# KiCad board Kanagawa_rgb_ansi_pico.kicad_pcb (continued)
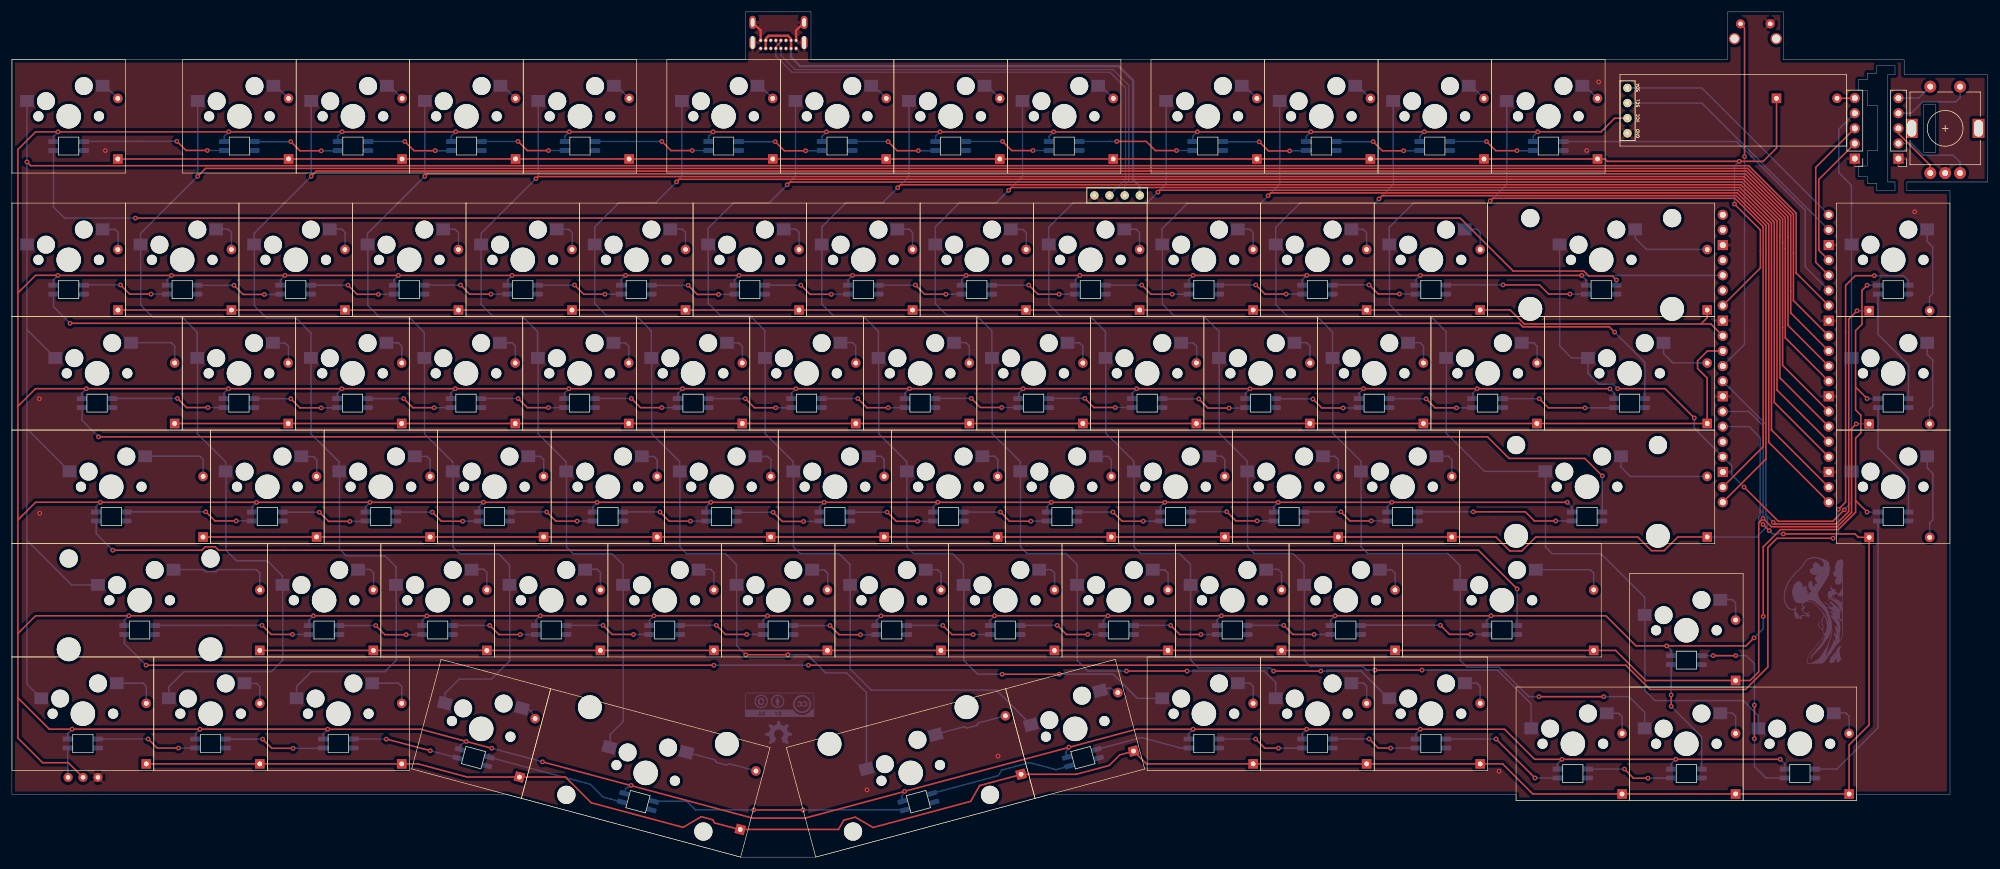
[diagram p0: board, top side]
## Routing (per net, layer and track width the routed paths; a pad name or vN(x,y) marks a point on that pad's centre or on a via; arc(x,y) is an arc through that point) (continued)
col12: length 263.2
  Top w0.254: U0.22 293.87,68.89 293.87,105.87 289.14,110.6 248.51,110.6 v1(248.07,110.16)
  Bottom w0.254: 274.04,40.63 274.04,27.94 275.71,26.27 290.55,26.27 293.05,23.77 293.05,21.61 ; 257.35,52.06 258.47,50.94 266.67,50.94 273.99,43.62 KE12.1 ; KC12.1 240.65,88.22 238.11,90.76 233.19,90.76 231.16,92.79 231.16,102.84 ; 250.85,126.93 250.85,112.94 v1(248.07,110.16) 247.72,109.81 235.21,109.81 231.13,105.73 231.13,102.81 ; 240.7,83.82 240.7,71.17 247.12,64.75 KD12.1 ; 257.35,52.06 257.35,64.71
col13: length 150.2
  Top w0.254: v1(282.32,73.73) 277.41,78.64 v1(269.45,78.64) ; v1(307.5,58.32) 305.56,56.37 296.43,56.37 v1(290.68,62.12)
  Bottom w0.254: U0.24 288.58,65.72 288.58,64.22 v1(290.68,62.12) ; 308.69,102.85 308.69,112.8 306.57,114.92 306.57,122.2 J3.4 ; 264.47,83.8 261.72,83.8 259.73,85.79 259.73,102.78 ; 287.1,67.2 282.32,71.98 v1(282.32,73.73) ; v1(307.5,58.32) 308.7,59.52 KF13.1 ; v1(269.45,78.64) 268.7,79.39 266.33,79.39 264.46,81.26 KC13.1 ; KD13.1 308.7,64.75
D+: length 82.6
  Top w0.2: 129.05,136.89 128.19,136.03
  Bottom w0.2: JUSB2.2 186.88,113.78 186.88,129.17 184.27,131.78 130.89,131.78 128.19,134.47 JUSB1.A6
D-: length 81.6
  Bottom w0.2: 129.04,135.77 129.04,134.61 131.44,132.22 184.77,132.22 187.42,129.57 187.42,113.57 186.73,112.88 JUSB2.3 ; 129.06,136 128.2,136.85
ENCA: length 28.3
  Top w0.254: 309.26,122.36 302.7,115.8 302.7,99.86 U0.5
ENCB: length 22.8
  Top w0.254: J3.2 303.22,113.77 303.22,101.88 304.88,100.22
RESET: length 59.3
  Top w0.254: v1(290.75,117.61) 290.75,139.22 RSW0.1
  Bottom w0.254: 287.1,82.44 290.75,86.09 v1(290.75,117.61)
RGB_Matrix: length 60.5
  Bottom w0.254: U0.6 300.93,99.09 300.93,108.6 289.41,120.12 260.35,120.12
RGB_Out: length 4.9
  Bottom w0.254: KF0.4 9.36,13.43
row00: length 316.8
  Top w0.254: 296.12,127.4 296.12,119.04 293.89,116.81 267.72,116.81 267.31,117.21 DA12.1 ; v1(289.06,109.64) 293.42,105.28 293.42,98.91 U0.34 ; DA0.1 266.08,117.21
  Bottom w0.254: v1(289.06,109.64) 289.06,116.01 v1(289.86,116.81)
row01: length 273.9
  Top w0.254: DB0.1 246.39,91.85 ; 287.1,87.52 285.11,89.51 283.44,89.51 ; 283.44,89.51 284.49,90.56 284.49,91.85 ; 283.44,89.51 253.77,89.51 251.41,91.87 246.38,91.87
row02: length 273.3
  Top w0.254: DC12.1 284.49,72.8 ; U0.31 284.53,84.98 282.87,83.32 282.87,82.04 284.48,80.43 284.48,72.8 ; DC0.1 255.91,72.8
row03: length 345.9
  Top w0.254: v1(295.56,56.19) 295.84,55.92 306.13,55.92 308.23,58.02 308.23,90.33 v1(309.63,91.73) ; 284.49,53.75 279.58,53.75 277.28,51.45 275.12,51.45 272.84,53.73 255.71,53.73 253.37,51.39 251.39,51.39 249.03,53.75 DD0.1
  Bottom w0.254: 294.59,57.17 294.59,55.54 292.79,53.74 284.49,53.74 ; U0.29 294.34,72.66 294.34,57.42 v1(295.56,56.19) ; DD13.1 309.64,91.74 v1(309.63,91.73)
row04: length 337.4
  Top w0.254: DE0.1 269.12,34.7 274.17,29.65 DE12.1 291.67,29.65 293.13,31.11 293.13,55.08 293.13,55.08 293.13,56.14 v1(293.86,56.87) 295.26,55.47 306.32,55.47 308.71,57.86 308.71,71.95 v1(309.49,72.73)
  Bottom w0.254: DE13.1 309.49,72.73 v1(309.49,72.73) ; v1(293.86,56.87) 293.86,72.44 291.48,74.82 U0.27
row05: length 382.3
  Top w0.254: 112.63,4.99 115.68,6.79 117.6,6.27 ; DF0.1 65.42,15.65 ; 122.2,4.59 117.91,5.74 ; 141.54,6.7 144.5,4.97 ; 162.4,12.02 160.91,9.38 ; 311.66,53.69 309.86,53.69 309.29,54.26 v1(297.26,54.26) ; 185.9,17.15 188.23,17.78 ; v1(293.86,55.84) v1(294.9,54.8) ; DF6.1 190.38,15.65 DF9.1 250.15,15.65 255.2,10.6 DF10.1 DF12.1 308.3,18.83 311.65,22.18 311.65,53.69 ; 169.36,13.87 164.83,12.66 ; DF2.1 68.15,15.65 68.16,15.65 76.38,13.44 76.39,13.44 DF3.1 92.89,13.44 97.2,9.12 112.59,5 ; 184.1,15.37 178.6,13.9 DF5.1 ; 162.38,12 164.87,12.67 ; 117.6,6.27 117.89,5.76 ; DF4.1 138.69,4.64 138.69,4.65 139.6,6.2 141.52,6.71 ; 184.13,15.38 185.91,17.15 ; 160.89,9.36 144.52,4.97
  Bottom w0.254: v1(294.9,54.8) 295.44,54.26 v1(297.26,54.26) ; U0.26 291.53,72.28 293.38,70.43 293.38,57.44 293.13,57.19 293.13,56.57 v1(293.86,55.84)
SCL: length 42.6
  Bottom w0.254: 271.08,126.6 283.58,126.6 U0.2
SDA: length 42.7
  Bottom w0.254: 271.04,129.13 283.59,129.13 U0.1
Net-(DA0-Pad2): length 3.4
  Bottom w0.254: 15.22,129.5 15.65,129.5 DA0.2
Net-(DA1-Pad2): length 3.4
  Bottom w0.254: 43.87,129.51 44.29,129.51 DA1.2
Net-(DA2-Pad2): length 3.4
  Bottom w0.254: 62.92,129.5 63.35,129.5 DA2.2
Net-(DA3-Pad2): length 3.4
  Bottom w0.254: 81.97,129.5 82.4,129.5 DA3.2
Net-(DA4-Pad2): length 3.5
  Bottom w0.254: DA4.2 101.44,129.51 101.01,129.51
Net-(DA5-Pad2): length 3.4
  Bottom w0.254: 125.12,129.5 125.55,129.5 DA5.2
Net-(DA6-Pad2): length 3.4
  Bottom w0.254: 144.17,129.49 144.61,129.49 DA6.2
Net-(DA7-Pad2): length 3.4
  Bottom w0.254: 163.22,129.5 163.65,129.5 DA7.2
Net-(DA8-Pad2): length 3.4
  Bottom w0.254: 182.27,129.5 182.7,129.5 DA8.2
Net-(DA9-Pad2): length 3.4
  Bottom w0.254: DA9.2 206.81,129.49 206.38,129.49
Net-(DA10-Pad2): length 3.4
  Bottom w0.254: DA10.2 225.85,129.5 225.43,129.5
Net-(DA11-Pad2): length 3.4
  Bottom w0.254: 244.47,129.5 244.9,129.5 DA11.2
Net-(DA12-Pad2): length 3.4
  Bottom w0.254: 263.53,129.5 263.95,129.5 DA12.2
Net-(DB0-Pad2): length 5.6
  Bottom w0.254: 17.83,102 17.83,104.83 17.27,105.39 15.27,105.39
Net-(DB1-Pad2): length 5.6
  Bottom w0.254: 36.84,102.04 36.84,104.87 36.28,105.43 34.28,105.43
Net-(DB2-Pad2): length 5.6
  Bottom w0.254: 55.9,102.04 55.9,104.87 55.34,105.43 53.34,105.43
Net-(DB3-Pad2): length 5.6
  Bottom w0.254: 74.94,102.02 74.94,104.85 74.38,105.41 72.38,105.41
Net-(DB4-Pad2): length 5.6
  Bottom w0.254: 91.47,105.4 93.47,105.4 94.03,104.84 94.03,102.01
Net-(DB5-Pad2): length 5.6
  Bottom w0.254: 113.04,102.05 113.04,104.88 112.48,105.44 110.48,105.44
Net-(DB6-Pad2): length 5.6
  Bottom w0.254: 132.1,102.05 132.1,104.88 131.54,105.44 129.54,105.44
Net-(DB7-Pad2): length 5.6
  Bottom w0.254: 151.14,102.03 151.14,104.86 150.58,105.42 148.58,105.42
Net-(DB8-Pad2): length 5.6
  Bottom w0.254: 167.66,105.38 169.66,105.38 170.22,104.82 170.22,101.99
Net-(DB9-Pad2): length 5.6
  Bottom w0.254: 189.23,102.03 189.23,104.86 188.67,105.42 186.67,105.42
Net-(DB10-Pad2): length 5.6
  Bottom w0.254: 208.29,102.03 208.29,104.86 207.73,105.42 205.73,105.42
Net-(DB11-Pad2): length 5.6
  Bottom w0.254: 224.77,105.4 226.77,105.4 227.33,104.84 227.33,102.01
Net-(DB12-Pad2): length 5.6
  Bottom w0.254: 243.83,105.42 245.83,105.42 246.39,104.86 246.39,102.03
Net-(DB13-Pad2): length 14.3
  Bottom w0.254: KB13.2 272.4,103.93 274.31,102.02 284.49,102.02
Net-(DC0-Pad2): length 10.4
  Bottom w0.254: 19.99,86.36 26.75,86.36 27.31,85.8 27.31,82.97
Net-(DC1-Pad2): length 5.6
  Bottom w0.254: 43.85,86.31 45.85,86.31 46.41,85.75 46.41,82.92
Net-(DC2-Pad2): length 5.6
  Bottom w0.254: 65.42,82.96 65.42,85.79 64.86,86.35 62.86,86.35
Net-(DC3-Pad2): length 5.6
  Bottom w0.254: 84.48,82.96 84.48,85.79 83.92,86.35 81.92,86.35
Net-(DC4-Pad2): length 5.6
  Bottom w0.254: 103.52,82.94 103.52,85.77 102.96,86.33 100.96,86.33
Net-(DC5-Pad2): length 5.6
  Bottom w0.254: 120.03,86.33 122.03,86.33 122.59,85.77 122.59,82.94
Net-(DC6-Pad2): length 5.6
  Bottom w0.254: 141.6,82.98 141.6,85.81 141.04,86.37 139.04,86.37
Net-(DC7-Pad2): length 5.6
  Bottom w0.254: 160.66,82.98 160.66,85.81 160.1,86.37 158.1,86.37
Net-(DC8-Pad2): length 5.6
  Bottom w0.254: 177.14,86.35 179.14,86.35 179.7,85.79 179.7,82.96
Net-(DC9-Pad2): length 5.6
  Bottom w0.254: 198.82,82.93 198.82,85.76 198.26,86.32 196.26,86.32
Net-(DC10-Pad2): length 5.6
  Bottom w0.254: 215.27,86.36 217.27,86.36 217.83,85.8 217.83,82.97
Net-(DC11-Pad2): length 5.6
  Bottom w0.254: 236.89,82.97 236.89,85.8 236.33,86.36 234.33,86.36
Net-(DC12-Pad2): length 5.6
  Bottom w0.254: 255.93,82.95 255.93,85.78 255.37,86.34 253.37,86.34
Net-(DC13-Pad2): length 9.8
  Bottom w0.254: 284.49,82.96 278.73,82.96 277.16,84.53 KC13.2
Net-(DD0-Pad2): length 12.8
  Bottom w0.254: 22.37,67.31 31.52,67.31 32.08,66.75 32.08,63.92
Net-(DD1-Pad2): length 5.6
  Bottom w0.254: 51.17,63.85 51.17,66.68 50.61,67.24 48.61,67.24
Net-(DD2-Pad2): length 5.6
  Bottom w0.254: 70.18,63.89 70.18,66.72 69.62,67.28 67.62,67.28
Net-(DD3-Pad2): length 5.6
  Bottom w0.254: 86.68,67.28 88.68,67.28 89.24,66.72 89.24,63.89
Net-(DD4-Pad2): length 5.6
  Bottom w0.254: 108.28,63.87 108.28,66.7 107.72,67.26 105.72,67.26
Net-(DD5-Pad2): length 5.6
  Bottom w0.254: 124.81,67.27 126.81,67.27 127.37,66.71 127.37,63.88
Net-(DD6-Pad2): length 5.6
  Bottom w0.254: 146.38,63.92 146.38,66.75 145.82,67.31 143.82,67.31
Net-(DD7-Pad2): length 5.6
  Bottom w0.254: 162.88,67.31 164.88,67.31 165.44,66.75 165.44,63.92
Net-(DD8-Pad2): length 5.6
  Bottom w0.254: 181.92,67.29 183.92,67.29 184.48,66.73 184.48,63.9
Net-(DD9-Pad2): length 5.6
  Bottom w0.254: 200.97,67.32 202.97,67.32 203.53,66.76 203.53,63.93
Net-(DD10-Pad2): length 5.6
  Bottom w0.254: 220.03,67.29 222.03,67.29 222.59,66.73 222.59,63.9
Net-(DD11-Pad2): length 5.6
  Bottom w0.254: 239.07,67.33 241.07,67.33 241.63,66.77 241.63,63.94
Net-(DD12-Pad2): length 16.9
  Bottom w0.254: 270.01,67.3 270.01,65.49 271.59,63.91 DD12.2
Net-(DD13-Pad2): length 14.3
  Bottom w0.254: 321.41,105.4 321.41,103.36 322.33,102.44 322.33,94.64 ; 321.79,91.66 321.79,94.07 322.33,94.61
Net-(DE0-Pad2): length 17.8
  Bottom w0.254: 41.6,44.87 41.6,47.7 41.04,48.26 34.6,48.26 34.26,47.92 32.5,47.92 32.16,48.26 27.13,48.26
Net-(DE1-Pad2): length 5.6
  Bottom w0.254: 58.13,48.3 60.13,48.3 60.69,47.74 60.69,44.91
Net-(DE2-Pad2): length 5.6
  Bottom w0.254: 77.14,48.34 79.14,48.34 79.7,47.78 79.7,44.95
Net-(DE3-Pad2): length 5.6
  Bottom w0.254: 98.76,44.95 98.76,47.78 98.2,48.34 96.2,48.34
Net-(DE4-Pad2): length 5.6
  Bottom w0.254: 117.8,44.93 117.8,47.76 117.24,48.32 115.24,48.32
Net-(DE5-Pad2): length 5.6
  Bottom w0.254: 136.9,44.82 136.9,47.65 136.34,48.21 134.34,48.21
Net-(DE6-Pad2): length 5.6
  Bottom w0.254: 153.35,48.25 155.35,48.25 155.91,47.69 155.91,44.86
Net-(DE7-Pad2): length 5.6
  Bottom w0.254: 174.97,44.86 174.97,47.69 174.41,48.25 172.41,48.25
Net-(DE8-Pad2): length 5.6
  Bottom w0.254: 191.45,48.23 193.45,48.23 194.01,47.67 194.01,44.84
Net-(DE9-Pad2): length 5.6
  Bottom w0.254: 210.5,48.31 212.5,48.31 213.06,47.75 213.06,44.92
Net-(DE10-Pad2): length 5.6
  Bottom w0.254: 229.54,48.23 231.54,48.23 232.1,47.67 232.1,44.84
Net-(DE11-Pad2): length 12.8
  Bottom w0.254: 255.73,48.25 264.87,48.25 265.43,47.69 265.43,44.86
Net-(DE12-Pad2): length 5.6
  Bottom w0.254: 286.69,43.24 288.69,43.24 289.25,42.68 289.25,39.85
Net-(DE13-Pad2): length 14.3
  Bottom w0.254: 321.41,86.4 321.41,84.36 322.33,83.44 322.33,75.67 ; 322.33,75.68 321.79,75.14 321.79,72.73 ; 321.4,86.35 321.4,86.35
Net-(DF0-Pad2): length 8
  Bottom w0.254: DF0.2 22.55,28.64 21.99,29.2 17.61,29.2
Net-(DF1-Pad2): length 5.6
  Bottom w0.254: 41.6,25.78 41.6,28.61 41.04,29.17 39.04,29.17
Net-(DF2-Pad2): length 8
  Bottom w0.254: 60.47,29.2 64.86,29.2 65.42,28.64 65.42,25.81
Net-(DF3-Pad2): length 3.5
  Bottom w0.254: 87.05,24.6 88.05,22.87 ; 87.02,24.61 85.56,25
Net-(DF4-Pad2): length 12.1
  Bottom w0.254: 119.92,15.45 118.22,15.91 117.98,16.32 113.12,17.62 ; 120.32,15.69 119.9,15.45 ; 124.3,14.63 120.31,15.69 ; 124.41,14.44 124.31,14.62
Net-(DF5-Pad2): length 11.9
  Bottom w0.254: 154.97,20.59 159.83,21.89 160.25,21.65 161.95,22.11 ; 166.16,23.58 162.18,22.52 ; 162.18,22.52 161.94,22.1
Net-(DF6-Pad2): length 3.7
  Bottom w0.254: 184.25,28.4 185.98,27.4 ; 184.22,28.4 182.61,27.97
Net-(DF7-Pad2): length 5.6
  Bottom w0.254: 208.29,25.82 208.29,28.65 207.73,29.21 205.73,29.21
Net-(DF8-Pad2): length 5.6
  Bottom w0.254: 224.78,29.22 226.78,29.22 227.34,28.66 227.34,25.83
Net-(DF9-Pad2): length 5.6
  Bottom w0.254: 246.38,25.82 246.38,28.65 245.82,29.21 243.82,29.21
Net-(DF10-Pad2): length 5.6
  Bottom w0.254: 267.65,24.15 269.65,24.15 270.21,23.59 270.21,20.76
Net-(DF11-Pad2): length 5.6
  Bottom w0.254: 286.7,24.19 288.7,24.19 289.26,23.63 289.26,20.8
Net-(DF12-Pad2): length 5.6
  Bottom w0.254: 308.3,20.82 308.3,23.65 307.74,24.21 305.74,24.21
Net-(DF13-Pad2): length 14.3
  Bottom w0.254: DF13.2 321.81,56.09 322.35,56.63 322.35,64.42 321.43,65.34 321.43,67.38 ; 321.38,67.31 321.39,67.3

## Copper pours and planes (outline as drawn; the poured copper is in the pictures)
GND on Top: 337.19,-5.39 -7.34,-6.37 -6.87,144.9 336.77,145.25
GND on Bottom: 337.14,-5.45 -7.39,-6.43 -6.92,144.84 336.72,145.19

## Text on the board
B.Silkscreen: RGB matrix / Output | VCC | GND | JLCJLCJLCJLC | UP ▲ | Kanagawa - rev 2.0 by Ciaanh
